# Altium PCB PCB.PcbDoc (part 3 of 3)
Units mil, origin at the board's own origin, x right, y up, seen from the top; angles counter-clockwise.
Board outline 5551.18 x 866.13 mil, 6 copper layers (Top Layer, Layer 2, Layer 3, Layer 4, Layer 5, Bottom Layer), stack 59.842 mil thick; 209 components, 117 nets, 663 pads, 866 vias.
Unrouted connection lines stored in the file: 159.
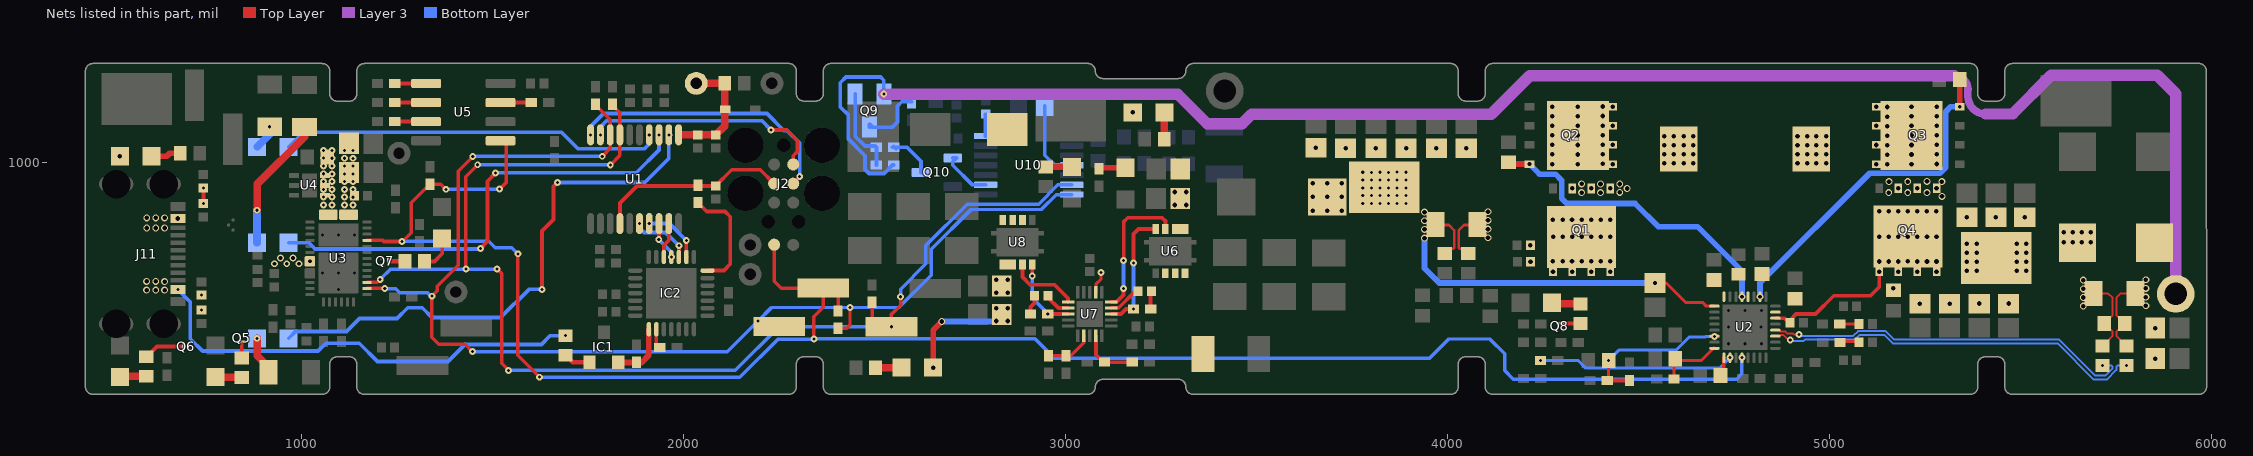
[diagram p7: the nets of this part, all layers, seen from the top]

## Via types
v1: diameter 18, hole 12, Top Layer to Bottom Layer, tented both sides, 430 vias
v2: diameter 18, hole 8, Top Layer to Bottom Layer, tented both sides, 381 vias
v3: diameter 18, hole 10, Top Layer to Bottom Layer, tented both sides, 49 vias
v4: diameter 23.62, hole 23.62, Top Layer to Bottom Layer, tented both sides, 4 vias
v5: diameter 77.95, hole 77.95, Top Layer to Bottom Layer, 2 vias

## Nets (pads, with @x,y where several pads share a name; then routed paths per layer and width w, separated by ;. In a path a pad name is that pad's centre, name@x,y a point inside that pad or via, vN(x,y) a via of type N, cw(c..) or ccw(c..) an arc to the next point about the centre after c; other vN are vias at no path point) (continued)
I2CM_SDA: J6.1 pad.6@2237.78,785.8 R2.2 R44.1 U2.12 U3.16 U5.5 | length 5092.4
  Top Layer w9.08: v2(1263.64,794) 1264.59,794 1288,817.41 1288,895.36 R44.1@1337,944.36 1365.36,944.36 v2(1378.95,930.78) ; v2(1519.05,931.29) 1536.09,948.34 1536.09,1051.24 1542.73,1057.87 U5.5@1521.65,1057.87 ; v2(1567,762) 1567,495.98 v2(1624,438.98) ; pad.6@2237.78,785.8 2237.78,690.31 2256.09,672 J6.1@2366.48,672 ; v2(2342,538.85) 2342,597.28 2366.48,621.76 J6.1@2366.48,672 ; R2.2@2405.18,612.37 2405.18,651.54 2384.72,672 J6.1@2366.48,672
  Top Layer w10: U3.16@1172.43,797.42 1212.95,797.42 1216.37,794 v2(1263.64,794)
  Bottom Layer w9.08: v2(1263.64,794) 1264.18,794.54 1490.93,794.54 1507.47,778 1551,778 v2(1567,762) ; v2(1378.95,930.78) 1379.21,931.04 1518.79,931.04 v2(1519.05,931.29) ; v2(1624,438.98) 2147.93,438.98 2247.8,538.85 v2(2342,538.85) 2342.57,539.43 2920.46,539.43 ; 2920.46,540 2972.4,488.06 3952.01,488.06 4002.95,539 4111.16,539 4150,500.16 4150,456.59 4172.51,434.08 4757.08,434.08 4770.67,447.67 v2(4770.67,490.16)
I2CS_SCL: J7.2 R6.1 R40.1 U1.17 U3.9 U10.13 | length 3293.2
  Top Layer w9.08: U3.9@1172.43,687.18 1199.02,687.18 v2(1206.84,695) ; v2(1431,722.12) 1431,964 v2(1462,995) ; v2(1512.81,722.12) 1524.58,710.35 1524.58,475.42 v2(1543,457) ; v2(1809,994) 1834.24,1019.24 U1.17@1834.24,1073.28 1834.24,1131.31 1814.96,1150.59 R40.1@1814.96,1153.54 ; R6.1@2494.38,634.96 2494.38,591.46 2514.84,571 v2(2544.88,571) 2544.88,603.56 2569,627.68 v2(2569,649.52)
  Bottom Layer w9.08: v2(1206.84,695) 1233.95,722.12 v2(1431,722.12) v2(1512.81,722.12) ; v2(1462,995) 1462.5,994.5 1808.5,994.5 v2(1809,994) ; v2(1543,457) 2136.52,457 2250.52,571 v2(2544.88,571) ; v2(2569,649.52) 2569,669.65 2634.92,735.57 2634.92,783.68 2743.24,892 2929.98,892 2980.48,942.49 U10.13@3017.17,942.49
I2CS_SDA: J6.2 R2.1 R41.1 U1.18 U3.8 U10.14 | length 3239.8
  Top Layer w9.08: U3.8@1172.43,671.43 1218.18,671.43 v2(1218.79,670.83) ; v2(1448,506) 1429,525 1360.33,525 1342,543.33 v2(1342,651) 1356,665 1356,677 1411,732 1411,978.23 v2(1449,1016.23) ; R41.1@1770.67,1153.54 1770.67,1150.59 1808.65,1112.61 U1.18@1808.65,1073.28 1808.5,1073.13 1808.5,1037.7 1790.14,1019.34 1790.14,1017.2 v2(1788,1017.2) ; v2(2195.35,585.83) 2237.34,585.83 2251.35,571.83 J6.2@2251.52,572 ; R2.1@2405.18,567.1 2427.39,567.1 2436.31,576.01 v2(2436.31,621.83)
  Bottom Layer w9.08: v2(1218.79,670.83) 1247.03,670.83 1258,659.86 1330.73,659.86 1339.59,651 v2(1342,651) ; v2(1448,506) 2115.52,506 v2(2195.35,585.83) 2230.93,621.41 2564.29,621.41 2649,706.12 2649,774 2752.92,877.92 2937.33,877.92 2976.31,916.9 U10.14@3017.17,916.9 ; v2(1449,1016.23) 1449.49,1016.71 1787.51,1016.71 v2(1788,1017.2)
IADPT: C21.2 R30.2 U2.8 | length 170.4
  Top Layer w8: R30.2@4593.1,429.09 4593.1,478.93 4596.46,482.28 4663.76,482.28 4696.24,514.76 U2.8@4698.82,514.76
IBAT: C20.2 U2.9 | length 59.6
  Top Layer w10: C20.2@4712.6,435.04 4723.17,445.61 4723.17,489.91 U2.9@4723.43,490.16
ILIM_HIZ: C18.2 R23.1 R25.2 U2.6 | length 415
  Top Layer w8: R25.2@4418.39,430.45 4422.03,434.08 v2(4422.03,483.27)
  Top Layer w10: R25.2@4418.39,430.45 4418.56,430.28 R23.1@4476.21,430.28
  Bottom Layer w8: v2(4422.03,483.27) 4448.46,509.7 4598.29,509.7 4632.58,544 4675.2,544 4677.22,546.02 v2(4698.82,546.02)
KNOCK_SENSOR: C44.2 C48.2 D14.C J1.1 R8.2 U1.11 | length 304
  Top Layer w20: U1.11@1987.79,1073.28 U1.11@1987.79,1073.28 2038.96,1073.32 C48.2@2039,1073.36 ; C48.2@2038,1073.32 2038.05,1073.37 2084.74,1073.37 C44.2@2084.79,1073.43 2085.4,1073.43 2108.41,1096.44 D14.C@2108.41,1136.11 ; J1.1@2046,1201 2052.87,1207.87 2108.41,1207.87 2108.41,1207.67 D14.C@2108.41,1140
LED_1: D1.2 U1.12 | length 1412.5
  Top Layer w10: v2(1630,669) 1630,821.6 1660,851.6 1660,938 v2(1671,949)
  Bottom Layer w10: D1.2@967.4,540.87 985.54,559 1118.72,559 1152.46,592.74 1250.64,592.74 1278.78,620.88 1316.96,620.88 1342.76,595.09 1522.02,595.09 1595.93,669 v2(1630,669) ; v2(1671,949) 1899,949 1962.2,1012.2 v2(1962.2,1073.28)
LED_2: D2.2 U1.14 | length 1006.4
  Bottom Layer w10: D2.2@967.4,1041.85 1005.63,1080.08 1681.13,1080.08 1724.21,1037 1898.73,1037 1911.02,1049.28 v2(1911.02,1073.28)
LED_3: D3.2 U1.13 | length 1214.3
  Top Layer w10: v2(1469,776) 1488,795 1488,952 v2(1509,973)
  Bottom Layer w10: D3.2@967.4,790.87 1020.13,790.87 1035.66,775.34 ; 1035.66,774.34 v2@1468.34,774.34 ; v2@1468.34,775.34 v2(1469,776) ; v2(1509,973) 1510,974 1877,974 1936.61,1033.61 v2(1936.61,1073.28)
LODRV1: C38.2 Q2.G U2.29 | length 821
  Top Layer w15: C38.2@4163.58,996.85 v3(4214.57,996.85)
  Bottom Layer w15: v3(4214.57,996.85) 4240.94,970.47 4282.66,970.47 4299,954.13 4299,906.98 4312.27,893.7 4491.12,893.7 4551.76,833.07 4654.62,833.07 4770.67,717.02 v3@4770.67,646.65
  other v3: 4770.67,649.61
LODRV2: C41.2 Q3.G U2.26 | length 907.3
  Top Layer w15: Q3.G@5340.55,1147.19 C41.2@5340.55,1218.5
  Bottom Layer w15: v3(4818.17,649.61) 4818,649.77 4818.17,649.94 4818.17,686.17 5105,973 5289.3,973 5304,987.7 5304,1134 5316.8,1146.8 v3(5340.94,1146.8)
MCU_RX: IC2.26 U1.9 | length 92.8
  Top Layer w10: IC2.26@1949.2,753.61 1949.2,784.44 1962.2,797.44 U1.9@1962.2,841
MCU_TX: IC2.25 U1.8 | length 101.4
  Top Layer w10: v2(1935.88,799.13) 1936.24,799.49 1936.24,840.64 U1.8@1936.61,841
  Bottom Layer w10: v2(1935.88,799.13) 1968.88,766.13 v2(1968.88,753.61)
NetC10_2: C10.2 R18.1 | length 51.2
  Top Layer w8: R18.1@5027.17,532.02 C10.2@5078.35,532.02
NetC11_2: C11.2 R19.1 | length 50.6
  Top Layer w8: R19.1@5026.97,578.28 C11.2@5077.56,578.28
NetC33_2: C33.2 C34.2 Q1.D R31.2 R33.2 | length 132
  Top Layer w6.68: R33.2@4054.13,761.51 4040.65,775 4032.44,775 4029.46,777.98 4029.46,823.46 4043.3,837.3 R31.2@4078.74,837.3
  other v1: 4276.18,714.57 4326.18,714.57 4376.18,714.57 4426.18,714.57 4217.32,741.39 4276.03,742.23 4301.18,742.23 4326.03,742.23 4351.18,742.3 4376.03,742.23 4401.18,742.23 4426.03,742.23 4217.09,784.26 4106,804 4351.18,806.5 4276.33,806.57 4301.18,806.57 4326.33,806.57 4376.33,806.57 4401.18,806.57 4426.33,806.57 4106,826.65 4106,849.3 4276.03,850.93 4301.18,850.93 4326.03,850.93 4351.18,851 4376.03,850.93 4401.18,850.93 4426.03,850.93 4106,871.94
NetC49_2: C49.2 U10.7 | length 70.7
  Bottom Layer w10: C49.2@2791.18,1127.29 U10.7@2791.18,1070.45 2800.67,1070.45 U10.7@2803.74,1073.52
NetC69_2: C69.2 R58.2 | length 51.6
  Top Layer w10: R58.2@2908.66,604.88 2908.66,622.3 2919.6,633.24 C69.2@2919.6,651.94
NetC75_2: C75.2 R60.2 | length 40.4
  Top Layer w10: C75.2@3222.88,661.67 3222.97,661.58 3222.97,621.41 R60.2@3223.06,621.32
NetD1_1: D1.1 R3.1 | length 101.6
  Top Layer w20: v2(884.72,540.87) 884.72,495.08 911.34,468.46 911.34,455.39 R3.1@914.96,451.77
NetD2_1: D2.1 R4.1 | length 66.2
  Bottom Layer w20: D2.1@884.72,1041.85 917.58,1074.71 v2(917.58,1094.43)
NetD3_1: D3.1 R5.1 | length 356.4
  Top Layer w20: v2(884.72,876) 884.72,944.6 1008.94,1068.82 R5.1@1008.94,1095.64
  Bottom Layer w20: D3.1@884.72,790.87 884.5,791.09 884.5,875.78 v2(884.72,876)
NetD4_2: D4.2 R34.2 | length 69.3
  Top Layer w10: R34.2@843.11,438.98 R34.2@844.09,437.99
  Top Layer w20: D4.2@775.2,438.98 R34.2@843.11,438.98
NetD5_2: D5.2 R35.2 | length 68.9
  Top Layer w20: D5.2@525.55,441.48 R35.2@594.45,441.48
NetD6_2: D6.2 R36.2 | length 96.8
  Top Layer w10: R36.2@1322.59,742.13 1349.13,742.13 1369,762 1369,792.87 D6.2@1361,800.88
NetD7_2: D7.2 R37.2 | length 65.9
  Top Layer w20: D7.2@4282.48,630.91 R37.2@4348.43,630.91
NetD8_2: D8.2 R38.2 | length 68.9
  Top Layer w15: R38.2@2948.82,989.17 D8.2@3017.72,989.17
NetD9_2: D9.2 R39.2 | length 69.4
  Top Layer w8: D9.2@3156.9,987.2 D9.2@3156.96,987.15
  Top Layer w15: R39.2@3087.6,987.2 D9.2@3156.9,987.2
NetD10_2: D10.2 R48.2 | length 68.1
  Top Layer w20: R48.2@2503.28,464 D10.2@2571.35,464
NetD12_2: D12.2 R73.2 | length 78.4
  Top Layer w15: D12.2@608.23,1017.25 647.97,1017.25 655.85,1025.13 R73.2@683.41,1025.13
NetD13_2: D13.2 R74.2 | length 70.3
  Top Layer w20: R74.2@3258.74,1055 3258.9,1055.16 3258.9,1125 D13.2@3259.06,1125.16
NetIC1_1: IC1.1 R7.1 | length 70.8
  Top Layer w12: R7.1@1692,496.41 1710.65,477.76 IC1.1@1755.03,477.76
NetIC1_2: IC1.2 IC2.8 R9.2 | length 155.9
  Top Layer w15: IC1.2@1829.83,477.76 1877.08,477.76 1891.08,477.76 1909.83,496.5 IC2.8@1909.83,564.64
NetIC2_9: IC2.9 R10.2 | length 52
  Top Layer w10: R10.2@1929.17,512.77 1929.17,564.29 IC2.9@1929.51,564.64
NetIC2_21: IC2.21 R81.1 | length 292.9
  Top Layer w10: R81.1@2038,896.36 2038,893.41 2044.81,886.6 2047.76,886.6 2061.36,873 2109.14,873 2123,859.14 2123,735 2106.35,718.35 2063.54,718.35 IC2.21@2063.37,718.18
NetL2_1: L2.1 U6.6 U6.7 U6.8
NetL3_1: L3.1 U8.6 U8.7 U8.8
NetQ5_3: Q5.3 R34.1 | length 41
  Top Layer w10: R34.1@844.09,489.17 844.49,489.57 Q5.3@844.49,530
NetQ6_3: Q6.3 R35.1 | length 110.4
  Top Layer w10: R35.1@594.45,494.63 593.46,493.65 R35.1@594.45,492.66 596.42,492.66 622.76,519 Q6.3@691.14,519
NetQ7_3: Q7.3 R36.1 | length 40.5
  Top Layer w12: Q7.3@1231,742 1271.28,742 R36.1@1271.41,742.13
NetQ8_3: Q8.3 R37.1 | length 54.1
  Top Layer w10: Q8.3@4294.29,579.72 R37.1@4348.43,579.72
NetQ9_1: Q9.1 R75.1 R76.2 | length 224.5
  Bottom Layer w10: Q9.1@2450,1180 2450,1069.4 2475.6,1043.81 2502.4,1043.81 R76.2@2505.36,1040.84 R75.1@2505.36,994.16
NetQ9_3: Q9.3 R77.2 | length 173
  Bottom Layer w10: Q9.3@2487.4,1093.39 2487.4,1101.26 2495.28,1093.39 2547.5,1093.39 2561,1106.89 2561,1149 2571.97,1159.97 R77.2@2597,1159.97
NetQ10_3: Q10.3 R76.1 | length 127.6
  Bottom Layer w10: R76.1@2547.68,1040.84 R76.1@2553.21,1040.84 ; R76.1@2550.63,1043.42 R76.1@2553.21,1040.84 ; R76.1@2557.05,1037 R76.1@2553.21,1040.84 ; Q10.3@2621.87,975 2621.87,1004.13 2585.16,1040.84 R76.1@2553.21,1040.84
NetR52_1: R52.1 U5.1 | length 81.7
  Top Layer w10: R52.1@1245.08,1207.87 U5.1@1326.77,1207.87
NetR53_1: R53.1 U5.2 | length 81.9
  Top Layer w10: R53.1@1245.08,1157.48 1245.28,1157.68 1326.57,1157.68 U5.2@1326.77,1157.87
NetR54_1: R54.1 U5.3 | length 81.9
  Top Layer w10: R54.1@1245.08,1108.27 1245.28,1108.07 1326.57,1108.07 U5.3@1326.77,1107.87
NetR55_1: R55.1 U5.7 | length 80.9
  Top Layer w10: U5.7@1521.65,1157.87 1521.85,1157.68 1602.17,1157.68 R55.1@1602.36,1157.48
NRESET: C1.2 J2.3 R81.2 U1.4 | length 508.7
  Top Layer w10: U1.4@1834.24,841 1834.24,895.24 1878.8,939.8 C1.2@2084.78,939.8 2126.98,982 2201.56,982 J2.3@2237.8,945.76
PPHV: C19.2 C25.2 C26.2 C27.2 C28.2 C29.2 C31.2 C32.1 C58.2 C59.2 C60.1 D13.1 R31.1 R32.2 TP1.TP U2.1 U3.20_22 | length 1011
  Top Layer w6.68: R31.1@3968.5,837.3 4003.94,837.3 4017.78,823.45 4017.78,777.78 4015,775 4006.6,775 R32.2@3993.11,761.51
  Top Layer w8: v3(4543.31,685.5) 4572.5,685.5 4623,635 4667.29,635 4677.29,625.01 U2.1@4698.82,625
  Bottom Layer w15: v1(3940,803.06) 3940,724 3978.5,685.5 v3(4543.31,685.5)
  other v1: 3940,825.7 3940,848.35 3940,871 3647.06,875 3685.06,875 3723,875 3647,910.79 3685.09,910.79 3723,910.79 3647.12,946.7 3685.09,947.01 3723,946.7 4049.22,1038.28 3733.69,1038.73 3812.85,1038.73 3892.01,1038.73 3971.18,1038.73 3655.72,1039.86 3176.39,1132.16
  other v2: 1113,889.76 1135.93,889.64 3778.27,893.84 3801.2,893.71 3823.27,893.84 3846.2,893.71 3868.27,893.97 3891.2,893.84 1113,910.15 1135.93,910.02 3778.27,914.23 3801.2,914.1 3823.27,914.23 3846.2,914.1 3868.27,914.36 3891.2,914.23 1135.93,930.41 1113,930.54 3801.2,934.49 3846.2,934.49 3778.27,934.62 3823.27,934.62 3868.27,934.74 3891.2,934.62 1113,950.93 1135.93,950.8 3778.27,955 3801.2,954.88 3823.27,955 3846.2,954.88 3868.27,955.13 3891.2,955 1113,971.32 1135.93,971.19 3778.27,975.39 3801.2,975.27 3823.27,975.39 3846.2,975.27 3891.2,975.39 3868.27,975.52 1113,991.7 1135.93,991.58 1113,1012.09 1135.93,1011.96 1113,1032.48 1135.93,1032.35
PSYS: R29.2 U2.10 | length 515.6
  Top Layer w8: U2.10@4739.17,490.16 v2(4739.43,490.16)
  Bottom Layer w8: v2@4244.09,483.27 4341.54,483.27 4362.2,462.6 4711.87,462.6 v2(4739.43,490.16)
  other v2: 4243.55,483.27
REGN: C22.2 R28.1 U2.28
SR_N: R27.1 U2.19 | length 1001.1
  Top Layer w5: U2.19@4858.27,546.26 4868.89,546.26 4871.76,549.13 4879.55,549.13 4888.29,540.39 4893.6,540.39 v2(4897.12,536.88)
  Bottom Layer w5: v2(4897.12,536.88) 4899.99,534 4932.21,534 4935.47,537.26 5066.11,537.26 5078.65,549.79 5142.79,549.79 5165.32,527.26 5597,527.26 5691.26,433 5725.29,433 5750.57,458.28 5750.57,466.56 5753.5,469.49 v2(5777.06,469.49)
SR_P: R26.1 U2.20 | length 985.1
  Top Layer w5: U2.20@4858.27,562.01 4868.89,562.01 4871.76,559.13 4883.69,559.13 4889.45,553.38 4903.95,553.38 4906.33,551 v2(4920,551)
  Bottom Layer w5: v2@4915.26,547.26 5061.97,547.26 5074.5,559.79 5146.93,559.79 5169.46,537.26 5601.14,537.26 5695.4,443 5721.15,443 5740.57,462.42 5740.57,466.56 5737.64,469.49 v2(5714.07,469.49)
SW1: C35.2 L1.1 Q1.S Q2.D U2.32
  other v1: 4351.18,922.28 4400.59,922 4450.79,922.64 4326.18,933.07 4376.18,933.07 4426.18,933.07 4470.28,932.87 4351.18,945.01 4400.59,944.75 4450.79,944.75 4274.07,996.85 4341.21,996.7 4406.07,997.38 4433.07,996.85 4567,999 4592.59,999 4618,999 4643.59,999 4274.07,1022 4341.21,1021.85 4406.07,1022.53 4567,1022.62 4592.59,1022.62 4618,1022.62 4643.59,1022.62 4567,1046.24 4592.59,1046.24 4618,1046.24 4643.59,1046.24 4274.07,1046.85 4341.21,1046.7 4406.07,1047.38 4433.07,1046.85 4567,1069.87 4592.59,1069.87 4618,1069.87 4643.59,1069.87 4274,1072 4341.14,1071.85 4406,1072.53 4274.07,1096.85 4341.21,1096.7 4406.07,1097.38 4433.07,1096.85 4274.07,1122 4341.21,1121.85 4406.07,1122.53 4274.07,1146.85 4341.21,1146.7 4406.07,1147.38 4433.07,1146.85
SW2: C36.2 L1.2 Q3.D Q4.S U2.23
  other v1: 5294.18,912.25 5155,922.28 5204.72,922.28 5254.91,922.28 5179.92,933.41 5229.92,933.41 5279.92,933.41 5155.5,950.79 5204.72,950.79 5254.91,951.47 5293.79,950.8 5150.93,996.15 5122.44,996.8 5214.44,996.65 5280.07,997.04 4916.15,999 4941.74,999 4965.41,999 4991,999 5150.93,1021 5214.44,1021.8 5280.07,1022.19 4916.15,1022.62 4941.74,1022.62 4965.41,1022.62 4991,1022.62 4916.15,1046.24 4941.74,1046.24 4965.41,1046.24 4991,1046.24 5150.93,1046.15 5122.44,1046.8 5214.44,1046.65 5280.07,1047.04 4916.15,1069.87 4941.74,1069.87 4965.41,1069.87 4991,1069.87 5151,1071 5214.37,1071.8 5280,1072.19 5150.93,1096.15 5122.44,1096.8 5214.44,1096.65 5280.07,1097.04 5150.93,1121 5214.44,1121.8 5280.07,1122.19 5150.93,1146.15 5122.44,1146.8 5214.44,1146.65 5280.07,1147.04
SWCLK: J2.4 U1.20 | length 730
  Top Layer w10: v2(1757.47,1072.53) U1.20@1757.47,1073.28 ; J2.4@2287.8,945.76 2287.8,946.57 2304.69,963.46 v2(2304.69,964.27)
  Bottom Layer w10: v2(1757.47,1072.53) 1757.47,1095.47 1791,1129 2218.87,1129 2262.79,1085.08 2271.78,1085.08 2304.69,1052.16 v2(2304.69,964.27)
SWDIO: J2.2 U1.19 | length 633.1
  Top Layer w10: v2(1783.06,1072.53) U1.19@1783.06,1073.28 ; v2(2230,1086) 2270.85,1086 2299,1057.85 2299,1029.8 2287.8,1018.6 J2.2@2287.8,995.76
  Bottom Layer w10: v2(1783.06,1072.53) 1783.06,1094.06 1799,1110 2206,1110 v2(2230,1086)
T_G_3V: U6.3 U7.10 | length 368.2
  Top Layer w10: U7.10@3120.67,635.83 3133.63,635.83 3152,654.19 v2(3152,671) ; v2(3152.56,744.09) 3152.56,845.47 3163.39,856.3 3252.95,856.3 3261.81,847.44 U6.3@3261.81,827.13
  Bottom Layer w10: v2(3152,671) 3152,743.54 v2(3152.56,744.09)
T_G_5V: U7.16 U8.3 | length 185.7
  Top Layer w10: U8.3@2887.71,734.25 2887.71,700.87 2907.58,681 2972,681 3007.28,645.72 U7.16@3007.28,635.83
T_GR_3V: R60.1 U6.4 U7.8 | length 323.1
  Top Layer w10: U7.8@3120.67,604.33 3120.76,604.42 3145.31,604.42 3158.72,617.83 R60.1@3178.36,617.83 v2(3178.28,617.74) ; v2(3178,738.2) 3178,813.95 3191.18,827.13 U6.4@3236.22,827.13
  Bottom Layer w10: v2(3178.28,617.74) v2@3178.28,738
T_GR_5V: R58.1 U7.18 U8.4 | length 198.4
  Top Layer w8: v2(2913.3,703.87) U8.4@2913.3,734.25
  Top Layer w10: R58.1@2953.94,604.33 U7.18@3007.28,604.33
  Bottom Layer w10: v2(2913.3,703.87) 2913.3,646.64 v2@2953.94,606
  other v2: 2953.94,604.88
THERMISTER: R79.2 U10.11 | length 211
  Bottom Layer w10: R79.2@2945.98,1149 2945.98,1020.08 2971.26,994.8 3016.04,994.8 U10.11@3017.17,993.67
UART_CTS: IC2.24 U1.6 | length 162.9
  Top Layer w10: IC2.24@1988.57,753.61 v2(1988.57,783.13)
  Bottom Layer w10: v2(1885.88,840.77) 1885.88,829.13 1896.88,818.13 1953.57,818.13 v2(1988.57,783.13)
UART_RTS: IC2.23 U1.7 | length 158.7
  Top Layer w10: v2(2007.91,797.09) 2007.91,753.96 IC2.23@2008.25,753.61
  Bottom Layer w10: v2(1911.02,841) 1964,841 v2(2007.91,797.09)
V_BATT: C14.2 C15.2 C16.1 C17.2 pad.5@5906,657 Q9.2 R24.2 R27.2 R75.2 | length 4826.7
  Top Layer w5: R27.2@5777.06,520.67 5750.57,547.17 5750.57,558.15 C17.2@5772.14,579.72 5750.57,601.3 5750.57,646.43 5762.6,658.46 R24.2@5800.69,658.46
  Layer 3 w20: 5326.2,1228.19 cw(c5326.2,1192.18) 5362.2,1192.18 5362.08,1192.18 5362.08,1174.05 ccw(c5408.25,1174.05) 5408.25,1127.88
  Layer 3 w30: v2(2524.8,1180) 3293.73,1180 3370.88,1102.85 3462.88,1102.85 3487.37,1127.34 4114.39,1127.34 4215.24,1228.19 5326.2,1228.19 ; 5408.25,1127.88 5478.88,1127.88 5580,1229 5857.53,1229 5906,1180.53 pad.5@5906,657
  Bottom Layer w10: v2(2524.8,1180) 2524.8,1216.05 2516.45,1224.41 2425.89,1224.41 2411,1209.52 2411,1146 2432,1125 2432,1062.65 2476,1018.65 2476,982.8 2486.45,972.35 2525.87,972.35 2547.68,994.16 R75.2@2550.63,994.16
  other v1: 5852.82,487.65 5852.82,567.38 5828,625.98 5828,648.63 5828,671.28 5828,693.93
V_BUS: C24.2 C61.2 C62.2 C63.2 C64.2 D12.1 J11.A4 J11.A9 R7.2 U3.23_25 U3.32_33 U4.4 U4.5 U4.6 | length 1235.4
  Top Layer w10: C63.2@744,893.32 v2(744,934.68)
  Bottom Layer w10: v2(677.2,668.53) 709.79,635.94 709.79,539.65 742.19,507.24 1044.24,507.24 1064.76,527.76 1152.01,527.76 1199.45,480.31 1384.32,480.31 1429,525 1628.94,525 1651.53,547.59 v2(1692,547.59)
  other v1: 595.55,667 619.39,667 642.78,667 642.78,689.16 595.55,689.62 619.39,689.62 596,829.61 619.39,829.61 642.78,829.61 677.2,854.36 596,856 619.39,856 642.78,856 525.55,1017.25
  other v2: 739.16,614.32 739,654.11 1058.07,889.89 1081,889.76 744.11,893.44 1058.07,910.28 1081,910.15 1058.07,930.67 1081,930.54 1058.07,951.06 1081,950.93 1058.07,971.44 1081,971.32 1058.07,991.83 1081,991.7 1058.07,1012.22 1081,1012.09 1081,1032.48 1058.07,1032.61
  other v3: 929.86,736 962.24,736 994.62,736 1022.83,742.3 946.12,751 978.5,751
V_SYS: C13.1 C17.1 C42.2 C43.2 C45.2 C46.2 C47.2 C50.2 C51.2 C52.2 C53.1 C70.2 C71.2 C76.2 C77.2 D10.1 Q4.D R24.1 R26.2 TP2.TP U2.22 U6.1 U7.12 U8.1 | length 906.3
  Top Layer w5: R24.1@5690.45,658.46 5728.54,658.46 5740.57,646.43 5740.57,601.3 C17.1@5718.99,579.72 5740.57,558.15 5740.57,547.17 5730.27,536.87 5730.27,534.9 5716.04,520.67 R26.2@5714.07,520.67
  Top Layer w8: U7.12@3079.72,661.02 3079.72,682.09 3093.5,695.87 v2(3093.5,712.6)
  Top Layer w10: U2.22@4858.27,593.5 4882.09,593.5 C13.1@4897.05,578.54 ; C13.1@4897.05,577.76 4897.05,589.49 4912.03,604.47 4963.47,604.47 5011,652 5107,652 5129.92,674.92 v1(5129.92,714.91)
  Top Layer w15: v1(2654.02,464) 2654.02,562.4 v1(2676.47,584.85)
  Bottom Layer w15: v1(2676.47,584.85) 2817.03,584.85 2818.19,586 v1(2819,586)
  other v1: 2849,586 2819,620 2849,620 5664,625 5236.28,631.33 5314.04,631.33 5391.79,631.81 5468.56,631.81 5664,647.65 2819,660 2849,660 5664,670.3 5166.8,671.5 5664,692.94 2819,694 2849,694 5179.92,714.91 5229.92,714.91 5279.92,714.91 5359.41,717.13 5385,717.13 5489.41,717.13 5515,717.13 5359.41,740.76 5385,740.76 5489.41,740.76 5515,740.76 5129.85,741.93 5155,741.93 5179.85,741.93 5205,742 5229.85,741.93 5255,741.93 5279.85,741.93 5359.41,764.38 5385,764.38 5489.41,764.38 5515,764.38 5359.41,788 5385,788 5489.41,788 5515,788 5613,792.4 5636.62,792.4 5660.24,792.4 5683.87,792.4 5129.77,806.77 5154.92,806.77 5179.77,806.77 5204.92,806.84 5229.77,806.77 5254.92,806.77 5279.77,806.77 5613,817.99 5636.62,817.99 5660.24,817.99 5683.87,817.99 5359.25,857.28 5510.83,857.28 5435.04,857.62 5129.57,872.93 5154.72,872.93 5179.57,872.93 5204.72,873 5229.57,872.93 5254.72,872.93 5279.57,872.93 3286,889.64 3316,889.64 3286,923.64 3316,923.64
VBST1: C69.1 U7.17 | length 67.9
  Top Layer w10: C69.1@2956.6,651.93 2956.6,645.14 2981.66,620.08 U7.17@3007.28,620.08
VBST2: C75.1 U7.9 | length 88.2
  Top Layer w10: U7.9@3120.67,620.08 3121.34,620.75 3139.77,620.75 3182.41,663.39 3190.18,663.39 C75.1@3190.18,664.18
VEN: Q10.1 U10.2 | length 139.1
  Bottom Layer w10: Q10.1@2705.33,1012.4 2714.78,1012.4 2705.33,1002.95 2705.33,993.67 2756.51,942.49 U10.2@2791.18,942.49
VFB1: R62.1 R63.1 U7.2 | length 124.7
  Top Layer w10: R62.1@2956.09,495.01 3014.03,495.01 3048.23,529.21 U7.2@3048.23,547.64
VFB2: R59.1 R61.1 U7.4 | length 153
  Top Layer w10: U7.4@3079.72,547.64 3080,547.36 3080,497.62 3099.41,478.22 R59.1@3174.85,478.22
pads on no net: IC2.10 IC2.11 IC2.12 IC2.16 IC2.17 IC2.18 IC2.19 IC2.22 IC2.27 IC2.28 J2. J2.6 J11.A8 J11.B8 U2.21 U7.7 U7.19 U10.12
copper on no net:
  other v1: 3792.36,769.12 3868,768.7 3792.36,832.11 3868,831.69
  other v4: 470.5,708.3 470.5,814.6
  other v5: 809.06,667.32 809.06,917.32

## Polygon pours and split planes (outlines as drawn)
FUEL_BATT_SR_N on Bottom Layer "FUEL_BATT_SR_N_L06_P303" (solid, remove dead copper, pour order 303): 3274.61,1351 3274.61,380 340,380 340,1351
FUEL_BATT_SR_N on Bottom Layer "Bottom Layer-GND 1" (solid, remove dead copper, pour order 298): 3127,1298.23 6019.69,1298.23 6019.69,361.22 5142.72,361.22 5142.72,688.98 4189.96,688.98 4189.96,398.62 3127,398.62
V_BUS on Bottom Layer "V_BUS_L06_P301" (solid, pour order 301): 1095,1083 1095,600 581,600 581,1083
FUEL_BATT_SR_P on Bottom Layer "Bottom Layer-FUEL_BATT_SR_P" (solid, remove dead copper, pour order 290): 3330.46,1290.25 3330.46,863.51 2634,863.51 2634,1290.25
FUEL_BATT_SR_P on Bottom Layer "Top Layer-BATT_NEG" (solid, pour order 291): 3345.15,1072.19 3487.28,1072.19 3487.28,1290.25 3345.18,1290.25
SW1 on Bottom Layer "Top Layer-NetC60_2" (solid, remove dead copper, pour order 294): 4248.39,881.89 4480.31,881.89 4480.31,594.49 4776.57,594.49 4776.57,1161.75 4563.98,1161.75 4248.39,1161.75
NetC33_2 on Bottom Layer "Top Layer-NetC58_2" (solid, remove dead copper, pour order 293): 3933.07,1020.67 4126.97,1020.67 4257.87,1020.67 4257.87,888.78 4741,888.78 4741,677.57 3933.07,677.57
V_SYS on Bottom Layer "Top Layer-NetC3_1" (solid, remove dead copper, pour order 296): 4856.41,640 5195.6,640 5195.6,606.6 5714.57,606.6 5714.57,887.16 4856.41,887.16
SW2 on Bottom Layer "Top Layer-NetC61_2" (solid, remove dead copper, pour order 295): 5304,892.22 5072.83,892.22 5072.83,594.49 4776.57,594.49 4776.57,1162.4 4989.17,1162.4 5304,1162.4
V_BATT on Bottom Layer "Top Layer-NetC44_2" (solid, remove dead copper, pour order 297): 5776.57,617.13 5776.57,886.81 5956,886.81 5956,602.73 5880.91,602.73 5880.91,453.74 5815.94,453.74 5815.94,616.63
DRAIN on Bottom Layer "DRAIN_L06_P299" (solid, pour order 299): 1044,841.5 1044,782 1151,782 1151,841.5
FUEL_BATT_SR_N on Bottom Layer "Bottom Layer-GND 2" (solid, pour order 300): 1153,656 1153,770 1043,770 1043,656
PPHV on Bottom Layer "Bottom Layer-NetC35_2" (solid, remove dead copper, pour order 292): 4063,1070.87 3615.49,1070.87 3615.49,800 4063,800
+3V3 on Top Layer "Top Layer-+3V3" (solid, remove dead copper, pour order 331): 1055.12,1319 1055.12,337 3269.02,337 3269.02,1319
FUEL_BATT_SR_N on Top Layer "Top Layer-GND 6" (solid, pour order 329): 1160,1082.68 1160,837.98 1214,837.98 1214,1082.68
+3V3 on Top Layer "Top Layer-+3V3 1" (solid, remove dead copper, pour order 330): 3371,723.42 4221.46,723.42 4221.46,409.16 3371,409.16
FUEL_BATT_SR_N on Top Layer "Top Layer-GND" (solid, remove dead copper, pour order 315): 4221.46,660 4221.46,355.86 5132.08,355.86 5132.08,506.45 4948.02,506.45 4948.02,589.13 4867.31,589.13 4852.55,589.13 4852.55,660
+3V3 on Top Layer "Top Layer-No Net 1" (solid, remove dead copper, pour order 361): 435.47,729.4 1197,729.4 1197,394.03 435.47,394.03
+3V3 on Top Layer "+3V3_L01_P325" (solid, pour order 325): 1041,661 1041,627 946,627 946,661
V_BUS on Top Layer "V_BUS_L01_P326" (solid, pour order 326): 696.68,867.89 586.68,867.89 586.68,818.52 696.68,818.52
V_BUS on Top Layer "V_BUS_L01_P327" (solid, pour order 327): 697,700.82 585.09,700.82 585.09,656.58 697,656.58
+3V3 on Top Layer "Top Layer-No Net 2" (solid, remove dead copper, pour order 359): 435.43,1259.84 435.43,963.8 1172.24,963.8 1172.24,1259.84
+5V0 on Top Layer "Top Layer-+5V0 1" (solid, pour order 319): 2381.89,1279.53 2381.89,835.01 2779.53,835.01 2779.53,1279.53
NetC33_2 on Top Layer "Top Layer-NetC58_2" (solid, pour order 307): 4059.58,806.5 4059.58,979.48 4282.06,979.48 4282.06,1020.67 4282.06,888.78 4469.49,888.78 4469.49,666.4 4199,666.4 4072.83,666.4 4072.83,806.5
NetL3_1 on Top Layer "Top Layer-NetL3_1" (solid, pour order 320): 2900.59,834.65 2782.48,834.65 2782.48,1277.56 2900.59,1277.56
FUEL_BATT_SR_N on Top Layer "Top Layer-GND 1" (solid, remove dead copper, pour order 314): 3126.97,1065.94 3126.97,726 3979.16,726 3979.16,1065.94
FUEL_BATT_SR_N on Top Layer "Top Layer-No Net" (solid, remove dead copper, pour order 310): 3126.97,1029.53 4123.03,1029.53 4123.03,892.22 6060.04,892.22 6060.04,1296.26 3126.97,1296.26
SW1 on Top Layer "Top Layer-NetC60_2" (solid, remove dead copper, pour order 308): 4474.62,666.4 4578,666.4 4578,625 4776.57,625 4776.57,1161.75 4248.39,1161.75 4248.39,894.48 4474.62,894.48
REGN on Top Layer "Top Layer-REGN" (solid, remove dead copper, pour order 302): 4743.17,733.83 4743.17,632 4851,632 4851,733.83
+5V0 on Top Layer "Top Layer-+5V0" (solid, pour order 324): 1036.42,725.39 900.67,725.39 900.67,694.88 1036.42,694.88
V_BUS on Top Layer "Top Layer-NetC61_2 1" (solid, pour order 323): 1036.42,728.35 910.43,728.35 910.43,758.86 1036.42,758.86
FUEL_BATT_SR_N on Top Layer "Top Layer-GND 3" (solid, remove dead copper, pour order 313): 6029.53,362.2 5142.72,362.2 5142.72,897.64 6029.53,897.64
V_SYS on Top Layer "Top Layer-NetC3_1" (solid, remove dead copper, pour order 311): 5084.65,640 5195.6,640 5195.6,606.6 5769.59,606.6 5769.59,887.41 5084.65,887.41
PPHV on Top Layer "Top Layer-NetC35_2" (solid, pour order 306): 3988.62,805 3615.01,805 3615.01,1065.94 4127,1065.94 4127,985 3988.62,985
SW2 on Top Layer "Top Layer-NetC61_2" (solid, remove dead copper, pour order 309): 5304,892.22 5072.83,892.22 5072.83,594.49 4776.57,594.49 4776.57,1162.4 4989.17,1162.4 5304,1162.4
FUEL_BATT_SR_N on Top Layer "Top Layer-GND 7" (solid, remove dead copper, pour order 328): 958,892 1041,892 1041,1041.04 958,1041.04
V_BATT on Top Layer "Top Layer-NetC44_2" (solid, remove dead copper, pour order 312): 5777,607.07 5777,886.81 5959,886.81 5959,602.73 5880.91,602.73 5880.91,453.74 5795.76,453.74 5795.76,606.83
FUEL_BATT_SR_N on Top Layer "Top Layer-GND 4" (solid, pour order 321): 2945.99,829.72 2945.99,735.24 2382.41,735.24 2382.41,829.72
V_BUS on Top Layer "V_BUS_L01_P318" (solid, pour order 318): 1043.31,850.39 1043.31,1082.68 1095.47,1082.68 1095.47,850.39
PPHV on Top Layer "PPHV_L01_P317" (solid, pour order 317): 1099.41,850.39 1099.41,1082.68 1155.51,1082.68 1155.51,850.39
V_SYS on Top Layer "V_SYS_L01_P316" (solid, pour order 316): 2803,575 2803,748.72 2872.79,748.72 2872.79,575
V_SYS on Top Layer "V_SYS_L01_P305" (solid, pour order 305): 3274.61,811.45 3274.61,1012.72 3325.79,1012.72 3325.79,811.45
NetL2_1 on Top Layer "Top Layer-NetL2_1" (solid, pour order 322): 3249.02,727.36 3249.02,394.03 3367.13,394.03 3367.13,727.36
+3V3 on Layer 4 "Layer 4-+3V3" (solid, remove dead copper, pour order 336): 326,724.78 906.61,724.78 906.61,543.17 3371,543.17 3371,667.32 3540,667.32 3540,359 326,359
+5V0 on Layer 4 "Layer 3-+5V0" (solid, pour order 335): 814.47,725.39 814.47,547 2780.59,547 2780.59,1026 2514,1026 2514,725.39
V_SYS on Layer 4 "V_SYS_L04_P343" (solid, remove dead copper, pour order 343): 2786,863.33 2786,351 5134.24,351 5134.24,863.33
PPHV on Layer 4 "Layer 3-NetC19_2" (solid, remove dead copper, pour order 344): 3662,1331 3662,729.4 1098.83,729.4 1098.83,1331
V_BUS on Layer 4 "Layer 4-NetC61_2" (solid, remove dead copper, pour order 334): 1098.83,1331 1098.83,726.38 809.06,726.38 809.05,547 404,547 404,1331
FUEL_BATT_SR_N on Layer 4 "Top Layer-GND1" (solid, remove dead copper, pour order 340): 3640,1029.53 4123.03,1029.53 4123.03,892.22 6060.04,892.22 6060.04,1296.26 3640,1296.26
FUEL_BATT_SR_N on Layer 4 "Top Layer-GND2" (solid, remove dead copper, pour order 342): 6029.53,362.2 5134.25,362.2 5134.25,897.64 6029.53,897.64
V_SYS on Layer 4 "Top Layer-NetC13_1" (solid, remove dead copper, pour order 341): 5198.88,613.78 5198.88,641.87 4474.81,641.87 4474.81,888.78 5714.57,888.78 5714.57,613.78
NetC33_2 on Layer 4 "Top Layer-NetC33_2" (solid, pour order 338): 4021.65,870.08 4021.65,956.69 4021.65,1027.56 4126.97,1027.56 4284,1027.56 4284,888.78 4469.49,888.78 4469.49,666.4 4021.65,666.4 4021.65,757.87
V_SYS on Layer 4 "Layer 3-NetC13_1" (solid, pour order 333): 3265,1020.24 3265,851.41 3337.61,851.41 3337.61,1020.24
SW2 on Layer 4 "Top Layer-NetC36_2" (solid, remove dead copper, pour order 339): 5304,892.22 5072.83,892.22 4776.57,892.22 4776.57,1162.4 4989.17,1162.4 5304,1162.4
SW1 on Layer 4 "Top Layer-NetC35_21" (solid, remove dead copper, pour order 332): 4248.39,894.48 4474.9,894.48 4776.57,894.48 4776.57,1161.75 4563.98,1161.75 4248.39,1161.75
PPHV on Layer 4 "Top Layer-NetC19_2" (solid, pour order 337): 4068.9,800.2 3365,800.2 3365,1073.32 4068.9,1073.32
+3V3 on Layer 3 "Layer 4-+3V3" (solid, remove dead copper, pour order 351): 326,543.17 906.61,543.17 3371,543.17 3371,667.32 3540,667.32 3540,359 326,359
+5V0 on Layer 3 "Layer 3-+5V0" (solid, pour order 346): 814.47,725.39 814.47,547 2780.59,547 2780.59,1026 2514,1026 2514,725.39
V_SYS on Layer 3 "V_SYS_L03_P353" (solid, remove dead copper, pour order 353): 2786,863.33 2786,351 5134.25,351 5134.25,863.33
PPHV on Layer 3 "Layer 3-NetC19_2" (solid, remove dead copper, pour order 355): 3654.54,1331 3654.54,729.4 1098.83,729.4 1098.83,1331
V_BUS on Layer 3 "Layer 4-NetC61_2" (solid, remove dead copper, pour order 357): 1098.83,1331 1098.83,726.38 809.06,726.38 809.05,547 404,547 404,1331
FUEL_BATT_SR_N on Layer 3 "Top Layer-GND1" (solid, remove dead copper, pour order 354): 3640,1029.53 4123.03,1029.53 4123.03,892.22 6060.04,892.22 6060.04,1296.26 3640,1296.26
PPHV on Layer 3 "Top Layer-NetC19_2" (solid, pour order 349): 4068.9,800.2 3365,800.2 3365,1080 4068.9,1080
FUEL_BATT_SR_N on Layer 3 "Top Layer-GND2" (solid, remove dead copper, pour order 356): 6029.53,362.2 5134.24,362.2 5134.24,897.64 6029.53,897.64
V_SYS on Layer 3 "Top Layer-NetC13_1" (solid, remove dead copper, pour order 352): 5198.88,613.78 5198.88,641.87 4474.81,641.87 4474.81,888.78 5714.57,888.78 5714.57,619.09 5714.57,613.78
NetC33_2 on Layer 3 "Top Layer-NetC33_2" (solid, pour order 350): 4021.65,870.08 4021.65,956.69 4021.65,1027.56 4126.97,1027.56 4284,1027.56 4284,888.78 4469.49,888.78 4469.49,666.4 4021.65,666.4 4021.65,757.87
V_SYS on Layer 3 "Layer 3-NetC13_1" (solid, pour order 345): 3265,1020.24 3265,851.41 3337.61,851.41 3337.61,1020.24
SW1 on Layer 3 "Top Layer-NetC35_21" (solid, remove dead copper, pour order 347): 4259,894.48 4474.9,894.48 4776.57,894.48 4776.57,1161.75 4563.98,1161.75 4259,1161.75
SW2 on Layer 3 "Layer 4-NetC36_2" (solid, remove dead copper, pour order 348): 5304,892.22 5072.83,892.22 4776.57,892.22 4776.57,1162.4 4989.17,1162.4 5304,1162.4
FUEL_BATT_SR_N on Layer 2 (split plane): 330 vertices, not listed, extent 455.57,414.1 5966.52,1240.04
FUEL_BATT_SR_N on Layer 5 (split plane): 330 vertices, not listed, extent 455.57,414.1 5966.52,1240.04

## Keep-outs
Top Layer:
  rectangle: 3973.11,630.62 4072.83,788.36
  rectangle: 3998.03,786.92 4049.22,887.54
  rectangle: 5695.37,453.51 5796.26,601.18
  rectangle: 5717,601.3 5771.16,714.49
Bottom Layer:
  region: 3343.44,1043.53 3343.44,1090.14 3306,1090.14 3306,1043.53
  region: 3287.79,997.93 3287.79,1067.23 3055.47,1067.23 3055.47,997.93
  region: 3487.85,1000.07 3487.85,1066 3306,1066 3306,1000.07
Keep-Out Layer:
  lines w19.68: 435.43,413.72 ccw(c455.12,413.72) 455.12,394.03 1055.12,394.03 ccw(c1055.12,413.72) 1074.81,413.72 1074.8,472.77 cw(c1094.49,472.77) 1094.49,492.46 1125.98,492.46 cw(c1125.98,472.77) 1145.67,472.77 ; 435.47,413.76 435.47,1240.44 cw(c455.12,1240.44) 455.12,1260.09 1055.12,1260.09 ; 1055.12,1259.84 cw(c1055.12,1240.16) 1074.8,1240.16 1074.8,1181.47 ; 1074.8,1181.1 ccw(c1094.49,1181.1) 1094.49,1161.42 1125.98,1161.42 ccw(c1125.98,1181.1) 1145.67,1181.1 1145.67,1240.16 cw(c1165.35,1240.16) 1165.35,1259.84 ; 1145.67,472.4 1145.67,413.72 ccw(c1165.35,413.72) 1165.35,394.03 2276.08,394.03 ccw(c2276.08,413.72) 2295.77,413.72 2295.76,472.77 cw(c2315.45,472.77) 2315.45,492.46 2346.95,492.46 cw(c2346.94,472.77) 2366.63,472.77 2366.63,413.72 ccw(c2386.31,413.72) 2386.31,394.03 3058.76,394.03 ; 1165.35,1260.13 2276.08,1260.13 cw(c2276.08,1240.45) 2295.77,1240.45 2295.76,1181.76 ; 2295.77,1181.39 ccw(c2315.45,1181.39) 2315.45,1161.71 2346.95,1161.71 ccw(c2346.95,1181.39) 2366.63,1181.39 2366.63,1240.45 cw(c2386.31,1240.45) 2386.31,1260.13 3058.79,1260.13 cw(c3058.79,1240.45) 3078.47,1240.45 ccw(c3098.16,1240.45) 3098.16,1220.76 3295.63,1220.76 ccw(c3295.63,1240.45) 3315.32,1240.45 cw(c3335,1240.45) 3335,1260.13 4008.33,1260.13 cw(c4008.33,1240.49) 4027.97,1240.49 ; 3058.79,394 ccw(c3058.79,413.69) 3078.47,413.69 cw(c3098.16,413.69) 3098.16,433.37 3295.63,433.37 cw(c3295.63,413.69) 3315.32,413.69 ccw(c3335,413.69) 3335,394 4008.33,394 ; 4008.33,394.03 ccw(c4008.33,413.72) 4028.02,413.72 4028.01,472.77 cw(c4047.7,472.77) 4047.7,492.46 4079.2,492.46 cw(c4079.2,472.77) 4098.88,472.77 4098.88,413.72 ccw(c4118.57,413.72) 4118.57,394.03 5368.11,394.03 ccw(c5368.11,413.72) 5387.79,413.72 5387.79,472.77 cw(c5407.47,472.77) 5407.47,492.46 5438.97,492.46 cw(c5438.97,472.77) 5458.66,472.77 5458.66,413.72 ccw(c5478.34,413.72) 5478.34,394.03 5966.93,394.03 ccw(c5966.93,413.72) 5986.61,413.72 5986.18,1240.45 ccw(c5966.54,1240.45) 5966.54,1260.09 5478.34,1260.09 ; 4028.01,1240.49 4028.01,1181.43 ccw(c4047.66,1181.43) 4047.66,1161.79 ; 4047.7,1161.75 4079.2,1161.75 ; 4079.2,1161.79 ccw(c4079.2,1181.43) 4098.84,1181.43 ; 4098.88,1181.43 4098.88,1240.49 ; 4098.92,1240.45 cw(c4118.57,1240.45) 4118.57,1260.09 5368.11,1260.09 cw(c5368.11,1240.45) 5387.75,1240.45 ; 5387.79,1240.45 5387.79,1181.39 ccw(c5407.44,1181.39) 5407.44,1161.75 ; 5407.48,1161.71 5438.97,1161.71 ; 5438.97,1161.75 ccw(c5438.97,1181.39) 5458.62,1181.39 ; 5458.66,1181.39 5458.66,1240.45 ; 5458.7,1240.41 cw(c5478.34,1240.41) 5478.34,1260.05

## Silkscreen, mask and mechanical layers (free items; w line width, h text height)
Top Overlay:
  drawing of 16 lines, arcs and shapes, not listed
  text "22" at 2925,1205 h30
  text "BATT" at 3484,1197 h30
  text "GND" at 769,1192 h30
  text "5V" at 2473,1191 h30
  text "NEG" at 3495.81,1154.65 h30
  text "GND" at 5816,1150.92 h30
  text "SIG" at 1997,1144.1 h30
  text "GND" at 2212.64,1124.84 h30
  text "GND" at 685,1124 h30 r90
  text "PIEZO" at 1967.6,1105.04 h30
  text "PPHV" at 3343.44,1090.14 h30 r90
  text "VBUS" at 498,1061 h30
  text "5V" at 3134,1037.8 h30
  text "3V3" at 2906.55,1026.22 h30
  text "PPHV" at 3941.8,916 h30
  text "IO11" at 1419.55,828.68 h30
  text "FA" at 2146,751.65 h30 r90
  text "SCL" at 2408.46,725.75 h30 r90
  text "SDA" at 2359,722 h30 r90
  text "MI2C" at 2195.32,719.37 h30
  text "5S" at 5913.97,717.41 h30
  text "PH" at 2148,687.2 h30 r90
  text "M" at 2224.28,666.27 h30
  text "M" at 2514.46,642.61 h30
  text "VSYS" at 5519,634.55 h30
  text "CHRG" at 4386,626.42 h30
  text "SDA" at 2235.61,597.28 h30 r90
  text "SCL" at 2649.66,590.17 h30
  text "OK" at 4413,583.91 h30
  text "S" at 2146.05,545.27 h30
  text "S" at 2656.83,542.42 h30
  text "VSYS" at 2416,508.4 h30
  text "TM" at 3985,500.25 h19.68
  text "IO7" at 481,447.39 h30 r90
  text "IO6" at 729.42,446 h30 r90
  text "espresso Charge v1" at 3568.64,431.1 h60
  text "DEAD BATT" at 1541,420 h30 r90
Bottom Solder:
  region: 4006.61,1239.04 3615,1239.04 3615,1082.43 4006.61,1082.43
  region: 4050.2,1059.38 3629.67,1059.38 3629.67,849.12 4050.2,849.12
  region: 4454,851.93 4201.4,851.93 4201.4,705.42 4454,705.42
  region: 5703.71,871 5102.96,871 5102.96,714.39 5703.71,714.39
  region: 5962,1111 5334.31,1111 5334.31,954.39 5962,954.39
  rectangle: 4789.34,998.1 5252,1154.71
  rectangle: 4295.87,998.24 4769,1154.85